# Altium PCB PS1-1B-BASIS.PcbDoc (part 7 of 7)
Units mm, origin at the board's own origin, x right, y up, seen from the top; angles counter-clockwise.
Board outline 88 x 170 mm, 6 copper layers (Top Layer, Mid 1, Mid 2 (GND), Mid 3 (PWR), Mid 4, Bottom Layer), stack 1.55 mm thick; 633 components, 333 nets, 1767 pads, 930 vias.
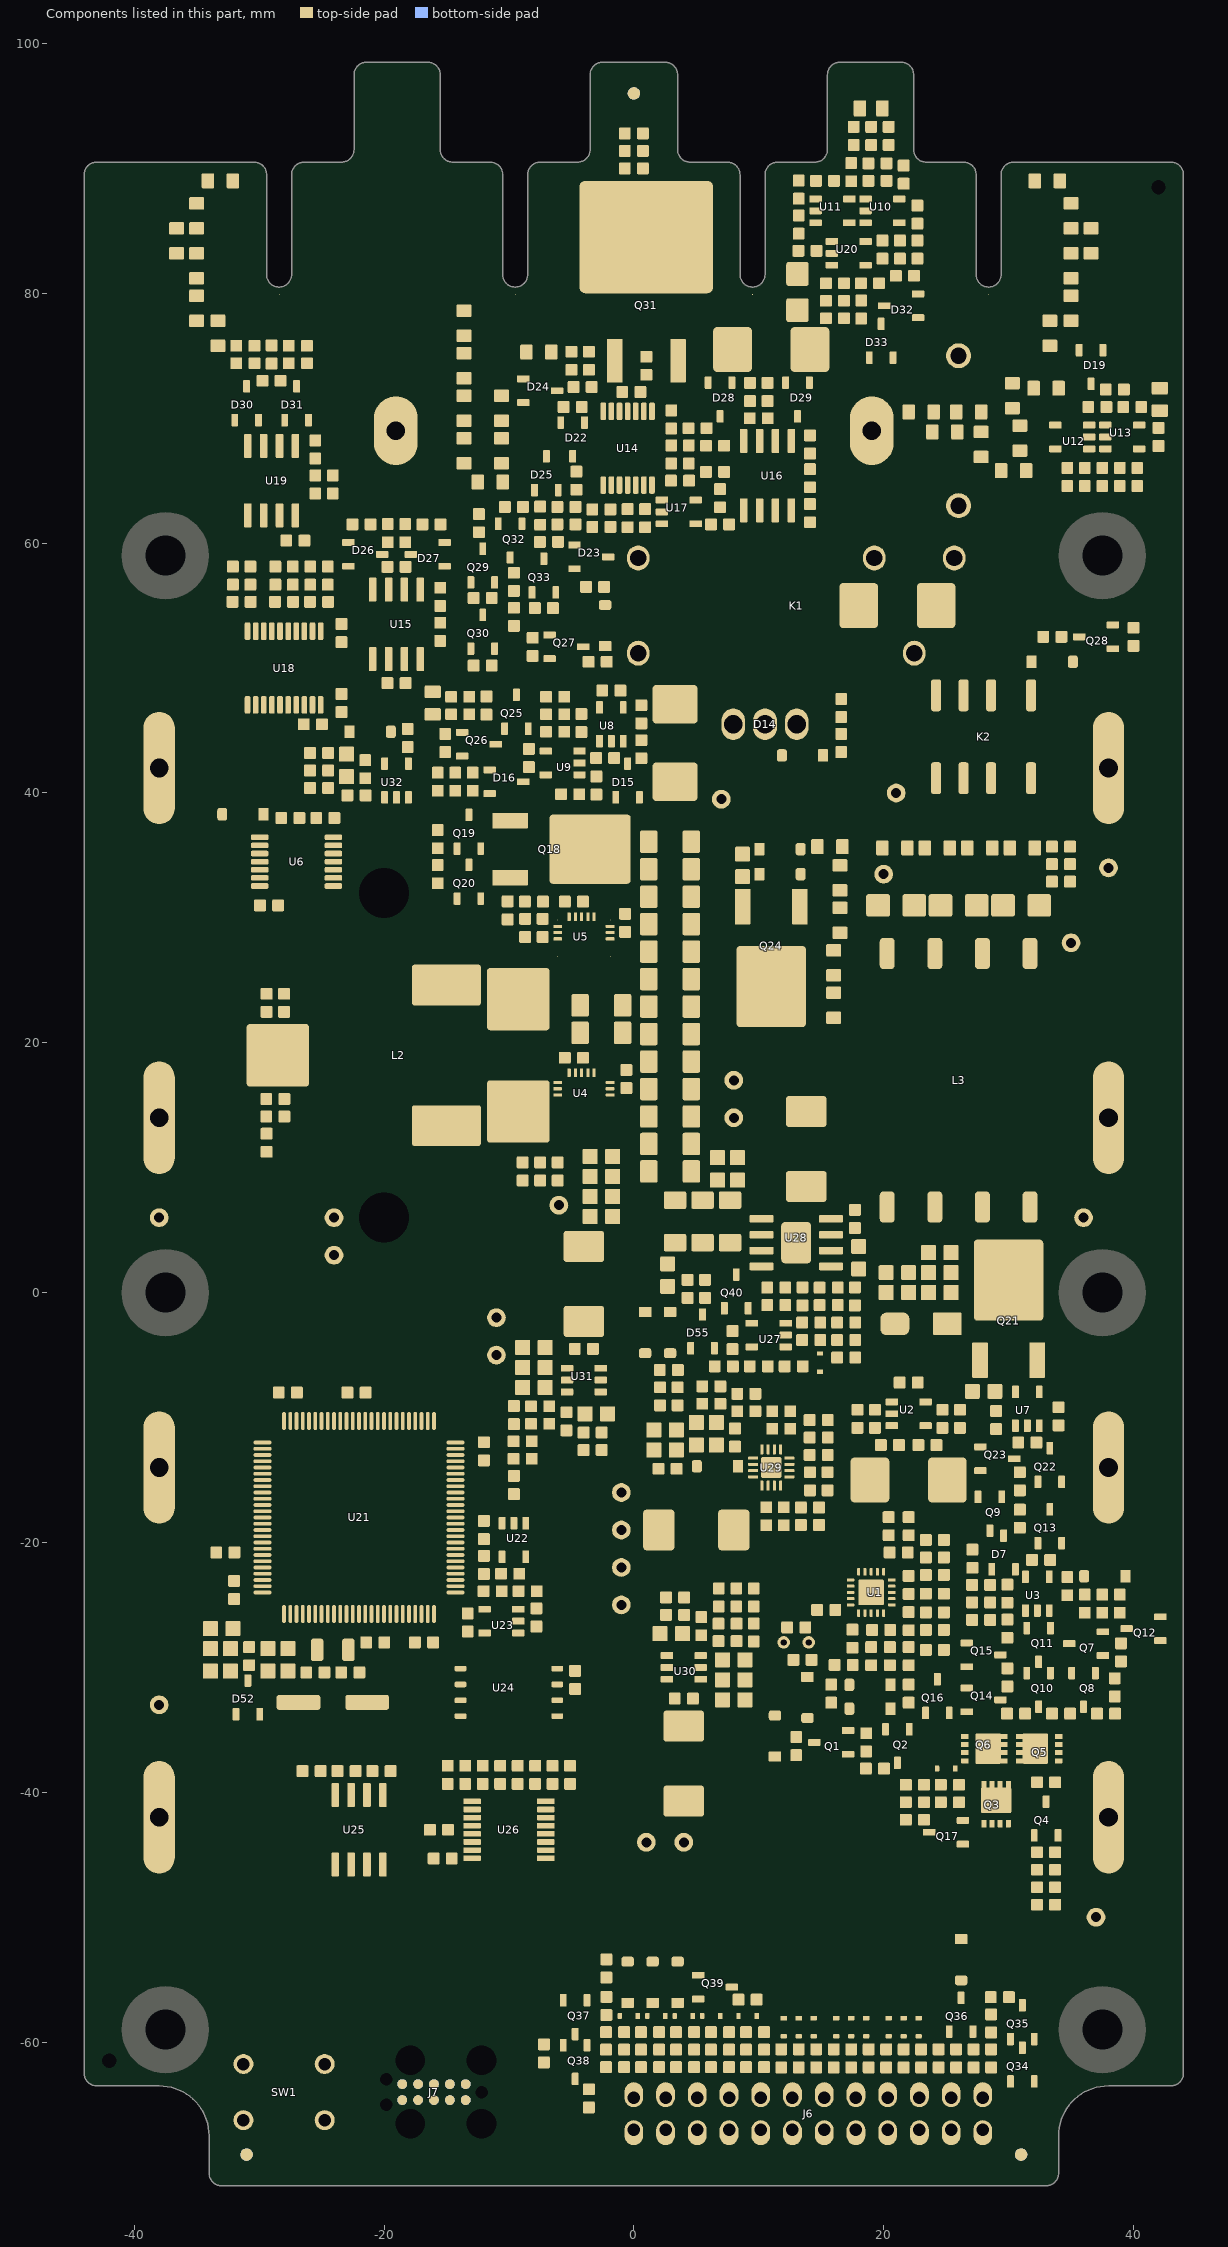
[diagram p11: the components of this part, seen from the top]

## Keep-outs
Top Layer:
  lines w0.05: 14.1,-19 14.3,-19.2 15.3,-19.2 15.4,-19.1 15.4,-16.8 15.7,-16.5 16.1,-16.5 16.9,-15.7 16.9,-11.7 16.1,-10.9 16.1,-9.7 16,-9.6 15.1,-9.6
  lines w0.1: -39.5,90 -39.5,80.7 ccw(c-35.5,80.7) -35.5,76.7 -30.7,76.7 -30.5,76.9 ; 30.5,76.9 30.7,76.7 35.5,76.7 ccw(c35.5,80.7) 39.5,80.7 39.5,90
  lines w0.3: 0.6,45.575 1.075,45.1 3,45.1 3.3,45.4 3.3,45.55 ; 10.7,72.825 10.3,73.225 10.3,75.3 10.5,75.5 12.55,75.5 ; 19.4,-15.5 20.6,-15.5 20.8,-15.7 20.8,-17.575 20.4,-17.975 ; 19.4,-14.5 20.8,-14.5 21.6,-13.7 21.6,-12.625 21.2,-12.225 ; 22,-17.975 21.6,-17.575 21.6,-15.7 21.8,-15.5 24.6,-15.5 ; 22.8,-12.225 22.4,-12.625 22.4,-13.7 23.2,-14.5 24.6,-14.5
Mid 1:
  region: 3.75,-32.88 ccw(c4.32,-32.88) 4.32,-33.45 5.375,-33.45 cw(c5.375,-33.7) 5.625,-33.7 5.625,-35.7 cw(c5.375,-35.7) 5.375,-35.95 2.625,-35.95 cw(c2.625,-35.7) 2.448,-35.877 cw(c3.168,-35.157) 2.15,-35.157 2.15,-30.744 cw(c2.219,-30.744) 2.219,-30.675 3.081,-30.675 cw(c3.081,-30.744) 3.13,-30.695 3.181,-30.746 cw(c1.807,-32.12) 3.75,-32.12
  region: -3.75,-4.12 ccw(c-4.32,-4.12) -4.32,-3.55 -5.375,-3.55 cw(c-5.375,-3.3) -5.625,-3.3 -5.625,-1.3 cw(c-5.375,-1.3) -5.375,-1.05 -2.625,-1.05 cw(c-2.625,-1.3) -2.448,-1.123 cw(c-3.168,-1.843) -2.15,-1.843 -2.15,-6.256 cw(c-2.219,-6.256) -2.219,-6.325 -3.081,-6.325 cw(c-3.081,-6.256) -3.13,-6.305 -3.181,-6.254 cw(c-1.807,-4.88) -3.75,-4.88
  region: 33.5,4.5 ccw(c33,4.5) 33,5 29.5,5 cw(c29.5,5.5) 29,5.5 29,8 ccw(c28.5,8) 28.5,8.5 27,8.5 ccw(c27,8) 26.5,8 26.5,-0.5 cw(c26,-0.5) 26,-1 22,-1 cw(c22,-0.5) 21.5,-0.5 21.5,2 ccw(c21,2) 21,2.5 20,2.5 ccw(c20,2) 19.5,2 19.5,-3.5 ccw(c20,-3.5) 20,-4 33,-4 ccw(c33,-3.5) 33.5,-3.5
  region: 10.375,-15.112 ccw(c10.313,-15.112) 10.313,-15.05 10.187,-15.05 cw(c10.187,-14.813) 9.95,-14.812 9.95,-14.187 ccw(c9.888,-14.187) 9.888,-14.125 9.212,-14.125 cw(c9.212,-13.662) 8.75,-13.662 8.75,-13.44 ccw(c8.71,-13.44) 8.71,-13.4 7.99,-13.4 ccw(c7.99,-13.44) 7.962,-13.412 ccw(c10.887,-16.337) 6.75,-16.337 6.75,-20.375 ccw(c7,-20.375) 7,-20.625 9,-20.625 ccw(c9,-20.375) 9.25,-20.375 9.25,-18.503 cw(c13.028,-18.503) 10.357,-15.832 ccw(c10.312,-15.787) 10.375,-15.788
  region: 14.825,5.676 ccw(c13.251,5.676) 13.251,7.25 12.425,7.25 cw(c12.425,7.5) 12.175,7.5 12.175,9.5 cw(c12.425,9.5) 12.425,9.75 15.175,9.75 cw(c15.175,9.5) 15.352,9.677 15.991,9.038 cw(c14.195,7.241) 16.735,7.241 16.735,5.676 cw(c16.659,5.676) 16.659,5.6 14.901,5.6 cw(c14.901,5.676)
  region: -11.5,21 -7,21 ccw(c-7,21.25) -6.823,21.073 ccw(c-9.414,23.664) -5.75,23.664 -5.75,27.35 ccw(c-5.8,27.35) -5.8,27.4 -14.811,27.4 ccw(c-14.811,23.311) -17.702,26.202 ccw(c-17.588,26.088) -17.75,26.088 -17.75,23.163 ccw(c-17.588,23.163) -17.588,23 -16.328,23 cw(c-16.328,16.422) -11.677,21.073 ccw(c-11.5,21.25)
  region: -17.588,11.75 -7.369,11.75 ccw(c-7.369,14.019) -5.765,12.415 ccw(c-5.8,12.45) -5.75,12.45 -5.75,14.85 ccw(c-5.8,14.85) -5.8,14.9 cw(c-5.8,15.85) -6.75,15.85 -6.75,16.75 ccw(c-7,16.75) -7,17 -11.5,17 ccw(c-11.5,16.75) -11.677,16.927 -11.846,16.758 cw(c-16.09,21.002) -16.09,15 -17.588,15 ccw(c-17.588,14.838) -17.75,14.838 -17.75,11.912 ccw(c-17.588,11.912)
  lines w0.1: -39.5,90 -39.5,80.7 ccw(c-35.5,80.7) -35.5,76.7 -30.7,76.7 -30.5,76.9 ; -27.801,58.125 cw(c-27.3,58.125) -27.3,57.624 ; -14.3,67 -13.8,67 -11.7,69.1 -11.7,74.2 -9.5,76.4 ; 13.746,68.271 cw(c14.1,68.625) 14.454,68.271 ; 32.6,78.6 35.275,78.6 36.003,77.872 38.328,77.872 ccw(c35.5,80.7) 39.5,80.7 39.5,90 ; 5.7,21.24 ccw(c8.24,21.24) 8.24,18.7 21.548,18.7 ccw(c21.548,21.24) 23.344,19.444 30.756,26.856 ccw(c28.96,28.652) 31.5,28.652 31.5,49.01 ccw(c29.11,49.01) 30.8,50.7 cw(c32.007,51.907) 30.3,51.907 30.3,71.13 ccw(c29.03,71.13) 29.03,72.4 23.77,72.4 cw(c23.77,75.466) 21.602,73.298 21.498,73.402 ccw(c19.33,71.234) 19.33,74.3 19,74.3 ccw(c19,70.1) 14.8,70.1 14.8,67.47 ccw(c17.866,67.47) 15.698,65.302 16.464,64.536 ccw(c18,66.073) 18,63.9 cw(c18,63.659) 18.171,63.829 21.034,60.966 cw(c19.669,59.6) 21.6,59.6 21.6,58.6 cw(c20.876,58.6) 21.388,58.088 20.844,57.544 ccw(c22.64,55.748) 20.1,55.748 20.1,54.183 cw(c19.417,54.183) 19.9,53.7 19.798,53.598 ccw(c21.966,51.43) 18.9,51.43 18.9,50.752 ccw(c21.44,50.752) 19.644,48.956 20.556,48.044 cw(c18.76,46.248) 21.3,46.248 21.3,44.74 cw(c18.76,44.74) 18.76,42.2 17.752,42.2 ccw(c17.752,39.66) 15.956,41.456 15.9,41.4 cw(c15.176,42.124) 15.176,41.1 10.952,41.1 ccw(c10.952,38.56) 9.156,40.356 6.3,37.5 ccw(c7.749,36.051) 5.7,36.051 5.7,21.24
Mid 3 (PWR):
  lines w0.4: 29,-18 30.1,-16.9 31.4,-16.9 32.1,-16.2 35.1,-16.2 36,-15.3 36,-2.8 34.4,-1.2 34.4,6.7 35.7,8 35.7,18.4 41.6,24.3 41.6,41.4 41,42
Keep-Out Layer:
  circle w0.6: c-20,32 r2
  circle w0.6: c-20,6 r2

## Other copper
Top Layer:
  region net VBAT: 33.7,-37.655 33.7,-35.995 cw(c33.72,-35.995) 33.72,-35.975 34.28,-35.975 ccw(c34.28,-35.625) 34.528,-35.872 34.956,-35.444 cw(c36.752,-37.24) 36.752,-34.7 37.7,-34.7 cw(c37.7,-36.25) 39.25,-36.25 39.25,-45.25 cw(c38,-45.25) 38,-46.5 35.9,-46.5 cw(c35.9,-45.3) 34.7,-45.3 34.7,-38.655 ccw(c33.72,-38.655) 33.72,-37.675 cw(c33.72,-37.655)
  region net +3V3_SW: 3.75,-32.88 ccw(c4.32,-32.88) 4.32,-33.45 5.375,-33.45 cw(c5.375,-33.7) 5.625,-33.7 5.625,-35.7 cw(c5.375,-35.7) 5.375,-35.95 2.625,-35.95 cw(c2.625,-35.7) 2.448,-35.877 cw(c3.168,-35.157) 2.15,-35.157 2.15,-30.744 cw(c2.219,-30.744) 2.219,-30.675 3.081,-30.675 cw(c3.081,-30.744) 3.13,-30.695 3.181,-30.746 cw(c1.807,-32.12) 3.75,-32.12
  region net +5V_SW: -3.75,-4.12 ccw(c-4.32,-4.12) -4.32,-3.55 -5.375,-3.55 cw(c-5.375,-3.3) -5.625,-3.3 -5.625,-1.3 cw(c-5.375,-1.3) -5.375,-1.05 -2.625,-1.05 cw(c-2.625,-1.3) -2.448,-1.123 cw(c-3.168,-1.843) -2.15,-1.843 -2.15,-6.256 cw(c-2.219,-6.256) -2.219,-6.325 -3.081,-6.325 cw(c-3.081,-6.256) -3.13,-6.305 -3.181,-6.254 cw(c-1.807,-4.88) -3.75,-4.88
  region net NetD5_2: 27.345,-41.123 ccw(c27.877,-41.123) 27.877,-41.655 30.124,-41.655 ccw(c30.124,-41.554) 30.225,-41.554 30.225,-39.726 cw(c32.226,-39.726) 32.226,-37.725 33.054,-37.725 ccw(c33.054,-37.624) 33.155,-37.624 33.155,-34.655 ccw(c32.9,-34.655) 32.9,-34.4 27.6,-34.4 ccw(c27.6,-34.655) 27.345,-34.655
  region net NetD14_1: 1.5,42.14 cw(c1.81,42.14) 1.81,42.45 3.438,42.45 ccw(c3.438,42.962) 3.8,42.6 5.164,43.964 ccw(c3.627,45.5) 5.8,45.5 cw(c7.05,45.5) 7.05,46.75 7.96,46.75 cw(c7.96,45.8) 8.91,45.8 8.91,44.394 cw(c6.37,44.394) 8.166,42.598 5.009,39.441 cw(c4.79,39.66) 4.79,39.35 1.81,39.35 cw(c1.81,39.66) 1.5,39.66
  region net GND: 2.4,7.96 2.4,6.84 ccw(c2.54,6.84) 2.441,6.741 2.838,6.344 ccw(c4.634,8.14) 4.634,5.6 11.099,5.6 cw(c11.099,4.899) 11.8,4.899 11.8,2.65 ccw(c12.1,2.65) 12.1,2.35 13.9,2.35 ccw(c13.9,2.65) 14.2,2.65 14.2,5.7 ccw(c13.3,5.7) 13.3,6.6 12.4,6.6 cw(c12.4,7.5) 11.5,7.5 ccw(c9.4,7.5) 9.4,9.6 5.9,9.6 ccw(c5.9,9.3) 5.6,9.3 5.6,8.9 cw(c5.2,8.9) 5.2,8.5 3.506,8.5 ccw(c3.506,6.994) 2.441,8.059 ccw(c2.54,7.96)
  region net GND: 9.888,-13.375 cw(c9.888,-13.647) 10.16,-13.647 10.16,-14.672 ccw(c10.328,-14.672) 10.328,-14.84 11.672,-14.84 ccw(c11.672,-14.672) 11.84,-14.672 11.84,-13.328 ccw(c11.672,-13.328) 11.672,-13.16 11.147,-13.16 cw(c11.147,-12.888) 10.875,-12.888 10.875,-12.081 ccw(c10.619,-12.081) 10.8,-11.9 9.88,-10.98 ccw(c8.48,-12.38) 8.48,-10.4 cw(c8.48,-8.673) 7.259,-9.894 7.182,-9.818 ccw(c7.14,-9.86) 7.14,-9.8 4.309,-9.8 ccw(c4.309,-11.909) 2.818,-10.418 ccw(c2.86,-10.46) 2.8,-10.46 2.8,-14.118 ccw(c3.407,-14.118) 2.978,-14.547 ccw(c3.045,-14.48) 3.045,-14.575 3.805,-14.575 ccw(c3.805,-14.48) 3.9,-14.48 3.9,-13.381 cw(c4.181,-13.381) 3.982,-13.182 ccw(c3.94,-13.14) 4,-13.14 4,-11.46 cw(c4.46,-11.46) 4.46,-11 6.875,-11 cw(c6.875,-12.1) 7.653,-11.322 ccw(c7.72,-11.255) 7.72,-11.35 8.48,-11.35 cw(c8.48,-11.77) 8.9,-11.77 8.9,-13.063 ccw(c9.212,-13.063) 9.212,-13.375
  region net +3V3: 2.375,-41.7 ccw(c2.625,-41.7) 2.625,-41.95 7.35,-41.95 ccw(c7.35,-39.8) 9.5,-39.8 9.5,-28.76 ccw(c9.44,-28.76) 9.44,-28.7 8.36,-28.7 ccw(c8.36,-28.76) 8.3,-28.76 8.3,-36.91 cw(c5.76,-36.91) 5.76,-39.45 2.625,-39.45 ccw(c2.625,-39.7) 2.375,-39.7
  region net VIN: -2.25,14.85 cw(c-2.2,14.85) -2.2,14.9 -1.925,14.9 cw(c-1.925,13.175) -0.2,13.175 -0.2,6.1 cw(c-0.8,6.1) -0.8,5.5 -2.24,5.5 cw(c-2.24,5.56) -2.3,5.56 -2.3,11.44 cw(c-2.24,11.44) -2.282,11.482 ccw(c-2.361,11.561) -2.25,11.561 -2.25,14.85
  region net VIN: 26.78,-37.025 ccw(c26.78,-37.005) 26.8,-37.005 26.8,-35.345 ccw(c25.955,-35.345) 25.955,-34.5 23.5,-34.5 ccw(c23.5,-35) 23,-35 23,-37 ccw(c23.5,-37) 23.5,-37.5 25.5,-37.5 ccw(c25.5,-37.017) 25.841,-37.359 26.143,-37.057 cw(c26.22,-37.134) 26.22,-37.025
  region net OUT_LV: -2.25,27.35 cw(c-2.2,27.35) -2.2,27.4 -0.6,27.4 ccw(c-0.6,28.5) 0.5,28.5 0.5,36.86 cw(c0.64,36.86) 0.64,37 2.2,37 cw(c2.2,36.6) 2.6,36.6 2.6,9.2 cw(c2.2,9.2) 2.2,8.8 0.64,8.8 cw(c0.64,8.94) 0.5,8.94 0.5,18.2 ccw(c-1.2,18.2) -1.2,19.9 -1.46,19.9 cw(c-1.46,20.69) -2.25,20.69
  region net VCC_SW: 14.825,5.676 ccw(c13.251,5.676) 13.251,7.25 12.425,7.25 cw(c12.425,7.5) 12.175,7.5 12.175,9.5 cw(c12.425,9.5) 12.425,9.75 15.175,9.75 cw(c15.175,9.5) 15.352,9.677 15.991,9.038 cw(c14.195,7.241) 16.735,7.241 16.735,5.676 cw(c16.659,5.676) 16.659,5.6 14.901,5.6 cw(c14.901,5.676)
  region net TERM_P: -20.8,68 ccw(c-19.05,68) -19.05,66.25 ccw(c-19.05,68) -17.3,68 -17.3,77.7 cw(c-14,77.7) -14,81 -12.881,81 cw(c-12.881,78.46) -11.084,80.256 -10.914,80.086 -10.349,80.652 cw(c-9.501,81.5) -10.7,81.5 -10.7,89.5 ccw(c-11.5,89.5) -11.5,90.3 -12.7,90.3 ccw(c-12.7,88) -15,88 -15,87.052 cw(c-17.54,87.052) -15.744,85.256 -20.056,80.944 ccw(c-18.26,79.148) -20.8,79.148
  region net +15V: 4.4,-11.66 4.4,-13.596 ccw(c5.454,-13.596) 4.709,-14.341 ccw(c4.85,-14.2) 4.85,-14.4 5.25,-14.4 ccw(c5.25,-14.2) 5.391,-14.341 6.376,-13.357 cw(c7.72,-14.7) 7.72,-12.8 8.48,-12.8 ccw(c8.48,-12.705) 8.575,-12.705 8.575,-11.945 ccw(c8.48,-11.945) 8.48,-11.85 7.72,-11.85 cw(c7.72,-11.113) 7.199,-11.634 7.182,-11.618 ccw(c7.14,-11.66) 7.14,-11.6 4.46,-11.6 ccw(c4.46,-11.66)
  region net NetQ31_2: 2.915,72.913 ccw(c2.977,72.913) 2.977,72.85 4.102,72.85 ccw(c4.102,72.913) 4.147,72.868 4.234,72.956 cw(c6.03,71.16) 6.03,73.7 9.14,73.7 ccw(c9.14,74.01) 9.45,74.01 9.45,75.7 cw(c10.536,75.7) 9.768,76.468 10.256,76.956 cw(c12.052,75.16) 12.052,77.7 13.82,77.7 ccw(c13.82,77.88) 14,77.88 14,79.42 ccw(c13.82,79.42) 13.82,79.6 12.252,79.6 ccw(c12.252,77.06) 10.456,78.856 9.644,78.044 cw(c7.848,79.84) 7.848,77.3 3.927,77.3 ccw(c3.927,76.288) 2.915,76.288
  region net TERM_N: 10.7,83.5 10.7,81.502 cw(c9.498,81.502) 10.348,80.652 10.914,80.086 cw(c12.156,78.844) 12.156,80.6 13.82,80.6 ccw(c13.82,80.78) 14,80.78 14,82.32 ccw(c13.82,82.32) 13.82,82.5 12.5,82.5 cw(c12.5,83.5) 11.5,83.5
  region net GND_PWR: -4.95,28.13 ccw(c-5.005,28.13) -5.005,28.185 -5.35,28.185 cw(c-5.35,28.235) -5.4,28.235 -5.4,29.35 cw(c-5.35,29.35) -5.35,29.4 -3.1,29.4 cw(c-3.1,29.35) -3.05,29.35 -3.05,20.59 cw(c-3.74,20.59) -3.74,19.9 -4.86,19.9 cw(c-4.86,20.04) -5,20.04 -5,23.76 cw(c-4.86,23.76) -4.959,23.859 -4.95,23.868 -4.95,24.925
  region net GND_PWR: 5.3,36.86 ccw(c5.16,36.86) 5.16,37 3.6,37 ccw(c3.6,36.6) 3.2,36.6 3.2,9.2 ccw(c3.6,9.2) 3.6,8.8 5.16,8.8 ccw(c5.16,8.94) 5.3,8.94
  region net GND_PWR: -3.05,11.802 ccw(c-2.598,11.802) -2.918,11.482 cw(c-2.96,11.44) -2.9,11.44 -2.9,5.56 cw(c-2.96,5.56) -2.96,5.5 -4.4,5.5 cw(c-4.4,6.1) -5,6.1 -5,12.304 cw(c-4.829,12.304) -4.95,12.425 -4.95,15.63 ccw(c-5.005,15.63) -5.005,15.685 -5.35,15.685 cw(c-5.35,15.735) -5.4,15.735 -5.4,16.85 cw(c-5.35,16.85) -5.35,16.9 -3.1,16.9 cw(c-3.1,16.85) -3.05,16.85
  region net SENS_N: 26.4,90.3 cw(c26.4,89.5) 27.2,89.5 27.2,81.5 ccw(c28.4,81.5) 28.4,80.3 ccw(c28.4,81.5) 29.6,81.5 29.6,89.5 cw(c30.4,89.5) 30.4,90.3 30.4,81.5 cw(c28.4,81.5) 28.4,79.5 cw(c28.4,81.5) 26.4,81.5
  region net LV_SW_SEC: -11.5,21 -7,21 ccw(c-7,21.25) -6.823,21.073 ccw(c-9.414,23.664) -5.75,23.664 -5.75,27.35 ccw(c-5.8,27.35) -5.8,27.4 -14.811,27.4 ccw(c-14.811,23.311) -17.702,26.202 ccw(c-17.588,26.088) -17.75,26.088 -17.75,23.163 ccw(c-17.588,23.163) -17.588,23 -16.328,23 cw(c-16.328,16.422) -11.677,21.073 ccw(c-11.5,21.25)
  region net +5V: -2.375,4.7 ccw(c-2.625,4.7) -2.625,4.95 -7.35,4.95 ccw(c-7.35,2.8) -9.5,2.8 -9.5,-8.24 ccw(c-9.44,-8.24) -9.44,-8.3 -8.36,-8.3 ccw(c-8.36,-8.24) -8.3,-8.24 -8.3,-0.09 cw(c-5.76,-0.09) -5.76,2.45 -2.625,2.45 ccw(c-2.625,2.7) -2.375,2.7
  region net TERM_N: -3.9,80 cw(c-3.9,80.45) -4.35,80.45 -4.35,88.798 cw(c-1.81,88.798) -3.606,90.594 -3.6,90.6 ccw(c-4.324,91.324) -3.3,91.324 -3.3,91.5 cw(c-2.8,91.5) -2.8,92 cw(c-2.8,91.5) -2.3,91.5 -2.3,89.9 ccw(c-1.7,89.9) -1.7,89.3 6,89.3 cw(c6,88.6) 6.7,88.6 6.7,80.4 cw(c6.3,80.4) 6.3,80 -3.9,80
  region net TERM_N: 7.5,90.3 cw(c7.5,89.5) 8.3,89.5 8.3,81.5 ccw(c9.5,81.5) 9.5,80.3 ccw(c9.5,81.5) 10.7,81.5 10.7,89.5 cw(c11.5,89.5) 11.5,90.3 11.5,81.5 cw(c9.5,81.5) 9.5,79.5 cw(c9.5,81.5) 7.5,81.5
  region net OUT_LV: 10.875,4.864 ccw(c10.799,4.864) 10.799,4.94 3.119,4.94 ccw(c3.119,3.981) 2.441,4.659 ccw(c2.54,4.56) 2.4,4.56 2.4,3.44 ccw(c2.54,3.44) 2.54,3.3 8.46,3.3 ccw(c8.46,3.44) 8.6,3.44 8.6,3.6 cw(c9.33,3.6) 9.33,4.33 10.799,4.33 ccw(c10.799,4.406) 10.875,4.406
  region net TERM_N: 7.5,90.3 7.224,90.3 ccw(c7.224,89.276) 6.5,90 6.244,89.744 cw(c4.448,91.54) 4.448,89 -3.9,89 ccw(c-3.9,88.55) -4.35,88.55 -4.35,80.45 ccw(c-3.9,80.45) -3.9,80 6.717,80 cw(c6.717,79.317) 7.2,79.8 ccw(c7.924,80.524) 7.924,79.5 9.5,79.5 cw(c9.5,81.5) 7.5,81.5
  region net LV_SW_PRIM: -17.588,11.75 -7.369,11.75 ccw(c-7.369,14.019) -5.765,12.415 ccw(c-5.8,12.45) -5.75,12.45 -5.75,14.85 ccw(c-5.8,14.85) -5.8,14.9 cw(c-5.8,15.85) -6.75,15.85 -6.75,16.75 ccw(c-7,16.75) -7,17 -11.5,17 ccw(c-11.5,16.75) -11.677,16.927 -11.846,16.758 cw(c-16.09,21.002) -16.09,15 -17.588,15 ccw(c-17.588,14.838) -17.75,14.838 -17.75,11.913 ccw(c-17.588,11.913)
  region net VCC: 0.75,-20.375 ccw(c1,-20.375) 1,-20.625 3,-20.625 ccw(c3,-20.375) 3.25,-20.375 3.25,-17.625 ccw(c3,-17.625) 3.177,-17.448 cw(c4.931,-15.694) 2.45,-15.694 2.45,-11.064 ccw(c1.536,-11.064) 2.182,-10.418 ccw(c2.14,-10.46) 2.14,-10.4 1.06,-10.4 ccw(c1.808,-11.148) 0.75,-11.148
  region net SENS_P: -30.4,90.3 cw(c-30.4,89.5) -29.6,89.5 -29.6,81.5 ccw(c-28.4,81.5) -28.4,80.3 ccw(c-28.4,81.5) -27.2,81.5 -27.2,89.5 cw(c-26.4,89.5) -26.4,90.3 -26.4,81.5 cw(c-28.4,81.5) -28.4,79.5 cw(c-28.4,81.5) -30.4,81.5
  region net +15V_SW: 10.375,-15.112 ccw(c10.313,-15.112) 10.313,-15.05 10.187,-15.05 cw(c10.187,-14.813) 9.95,-14.812 9.95,-14.187 ccw(c9.888,-14.187) 9.888,-14.125 9.212,-14.125 cw(c9.212,-13.662) 8.75,-13.662 8.75,-13.44 ccw(c8.71,-13.44) 8.71,-13.4 7.99,-13.4 ccw(c7.99,-13.44) 7.962,-13.412 ccw(c10.887,-16.337) 6.75,-16.337 6.75,-20.375 ccw(c7,-20.375) 7,-20.625 9,-20.625 ccw(c9,-20.375) 9.25,-20.375 9.25,-18.503 cw(c13.028,-18.503) 10.357,-15.832 ccw(c10.312,-15.787) 10.375,-15.788
Mid 1:
  region net NetD5_2: 27.345,-41.123 ccw(c27.877,-41.123) 27.877,-41.655 30.124,-41.655 ccw(c30.124,-41.554) 30.225,-41.554 30.225,-39.726 cw(c32.226,-39.726) 32.226,-37.725 33.054,-37.725 ccw(c33.054,-37.624) 33.155,-37.624 33.155,-34.655 ccw(c32.9,-34.655) 32.9,-34.4 27.6,-34.4 ccw(c27.6,-34.655) 27.345,-34.655
  region net NetD14_1: 1.5,42.14 cw(c1.81,42.14) 1.81,42.45 3.438,42.45 ccw(c3.438,42.962) 3.8,42.6 5.164,43.964 ccw(c3.627,45.5) 5.8,45.5 cw(c7.05,45.5) 7.05,46.75 7.96,46.75 cw(c7.96,45.8) 8.91,45.8 8.91,44.394 cw(c6.37,44.394) 8.166,42.598 5.009,39.441 cw(c4.79,39.66) 4.79,39.35 1.81,39.35 cw(c1.81,39.66) 1.5,39.66
  region net GND: 12.2,2.4 cw(c12.2,2.8) 11.8,2.8 11.8,5.2 cw(c12.2,5.2) 12.2,5.6 13.8,5.6 cw(c13.8,5.2) 14.2,5.2 14.2,2.8 cw(c13.8,2.8) 13.8,2.4
  region net GND: 17.66,-13.2 ccw(c17.66,-13.51) 17.35,-13.51 17.35,-16.49 ccw(c17.66,-16.49) 17.66,-16.8 20.14,-16.8 ccw(c20.14,-16.49) 20.45,-16.49 20.45,-13.51 ccw(c20.14,-13.51) 20.14,-13.2
  region net GND_PWR: 12.95,77.3 ccw(c12.95,76.9) 12.55,76.9 12.55,74.01 ccw(c12.86,74.01) 12.86,73.7 15.34,73.7 ccw(c15.34,74.01) 15.65,74.01 15.65,76.99 ccw(c15.34,76.99) 15.34,77.3
  region net VIN: 23.5,-34.5 ccw(c23.5,-35) 23,-35 23,-37 ccw(c23.5,-37) 23.5,-37.5 25.5,-37.5 ccw(c25.5,-37) 26,-37 26,-35 ccw(c25.5,-35) 25.5,-34.5
  region net TERM_P: -20.8,68 ccw(c-19.05,68) -19.05,66.25 ccw(c-19.05,68) -17.3,68 -17.3,77.7 cw(c-14,77.7) -14,81 -12.881,81 cw(c-12.881,78.46) -11.084,80.256 -10.914,80.086 -10.349,80.652 cw(c-9.501,81.5) -10.7,81.5 -10.7,89.5 ccw(c-11.5,89.5) -11.5,90.3 -12.7,90.3 ccw(c-12.7,88) -15,88 -15,87.052 cw(c-17.54,87.052) -15.744,85.256 -20.056,80.944 ccw(c-18.26,79.148) -20.8,79.148
  region net GND_PWR: 1.5,45.86 ccw(c1.81,45.86) 1.81,45.55 4.79,45.55 ccw(c4.79,45.86) 5.1,45.86 5.1,48.34 ccw(c4.79,48.34) 4.79,48.65 1.81,48.65 ccw(c1.81,48.34) 1.5,48.34
  region net BAT-: 23.86,-13.2 ccw(c23.86,-13.51) 23.55,-13.51 23.55,-16.49 ccw(c23.86,-16.49) 23.86,-16.8 26.34,-16.8 ccw(c26.34,-16.49) 26.65,-16.49 26.65,-13.51 ccw(c26.34,-13.51) 26.34,-13.2
  region net BAT-: 18.1,-24.5 18.1,-23.5 cw(c18.5,-23.5) 18.5,-23.1 19.5,-23.1 cw(c19.5,-23.5) 19.9,-23.5 19.9,-24.5 cw(c19.5,-24.5) 19.5,-24.9 18.5,-24.9 cw(c18.5,-24.5)
  region net SENS_N: 26.4,90.3 cw(c26.4,89.5) 27.2,89.5 27.2,81.5 ccw(c28.4,81.5) 28.4,80.3 ccw(c28.4,81.5) 29.6,81.5 29.6,89.5 cw(c30.4,89.5) 30.4,90.3 30.4,81.5 cw(c28.4,81.5) 28.4,79.5 cw(c28.4,81.5) 26.4,81.5
  region net TERM_N: 7.5,90.3 cw(c7.5,89.5) 8.3,89.5 8.3,81.5 ccw(c9.5,81.5) 9.5,80.3 ccw(c9.5,81.5) 10.7,81.5 10.7,89.5 cw(c11.5,89.5) 11.5,90.3 11.5,81.5 cw(c9.5,81.5) 9.5,79.5 cw(c9.5,81.5) 7.5,81.5
  region net TERM_P: -11.5,90.3 cw(c-11.5,89.5) -10.7,89.5 -10.7,81.5 ccw(c-9.5,81.5) -9.5,80.3 ccw(c-9.5,81.5) -8.3,81.5 -8.3,89.5 cw(c-7.5,89.5) -7.5,90.3 -7.5,81.5 cw(c-9.5,81.5) -9.5,79.5 cw(c-9.5,81.5) -11.5,81.5
  region net SENS_P: -30.4,90.3 cw(c-30.4,89.5) -29.6,89.5 -29.6,81.5 ccw(c-28.4,81.5) -28.4,80.3 ccw(c-28.4,81.5) -27.2,81.5 -27.2,89.5 cw(c-26.4,89.5) -26.4,90.3 -26.4,81.5 cw(c-28.4,81.5) -28.4,79.5 cw(c-28.4,81.5) -30.4,81.5
Mid 2 (GND):
  region net NetD14_1: 1.5,39.66 ccw(c1.81,39.66) 1.81,39.35 4.79,39.35 ccw(c4.79,39.66) 5.1,39.66 5.1,42.14 ccw(c4.79,42.14) 4.79,42.45 1.81,42.45 ccw(c1.81,42.14) 1.5,42.14
  region net GND: 12.2,2.4 cw(c12.2,2.8) 11.8,2.8 11.8,5.2 cw(c12.2,5.2) 12.2,5.6 13.8,5.6 cw(c13.8,5.2) 14.2,5.2 14.2,2.8 cw(c13.8,2.8) 13.8,2.4
  region net GND: 17.66,-13.2 ccw(c17.66,-13.51) 17.35,-13.51 17.35,-16.49 ccw(c17.66,-16.49) 17.66,-16.8 20.14,-16.8 ccw(c20.14,-16.49) 20.45,-16.49 20.45,-13.51 ccw(c20.14,-13.51) 20.14,-13.2
  region net VIN: 23.5,-34.5 ccw(c23.5,-35) 23,-35 23,-37 ccw(c23.5,-37) 23.5,-37.5 25.5,-37.5 ccw(c25.5,-37) 26,-37 26,-35 ccw(c25.5,-35) 25.5,-34.5
  region net TERM_P: -20.8,68 ccw(c-19.05,68) -19.05,66.25 ccw(c-19.05,68) -17.3,68 -17.3,77.7 cw(c-14,77.7) -14,81 -12.881,81 cw(c-12.881,78.46) -11.084,80.256 -10.914,80.086 -10.349,80.652 cw(c-9.501,81.5) -10.7,81.5 -10.7,89.5 ccw(c-11.5,89.5) -11.5,90.3 -12.7,90.3 ccw(c-12.7,88) -15,88 -15,87.052 cw(c-17.54,87.052) -15.744,85.256 -20.056,80.944 ccw(c-18.26,79.148) -20.8,79.148
  region net GND_PWR: 1.5,45.86 ccw(c1.81,45.86) 1.81,45.55 4.79,45.55 ccw(c4.79,45.86) 5.1,45.86 5.1,48.34 ccw(c4.79,48.34) 4.79,48.65 1.81,48.65 ccw(c1.81,48.34) 1.5,48.34
  region net GND_PWR: 12.86,77.3 ccw(c12.86,76.99) 12.55,76.99 12.55,74.01 ccw(c12.86,74.01) 12.86,73.7 15.34,73.7 ccw(c15.34,74.01) 15.65,74.01 15.65,76.99 ccw(c15.34,76.99) 15.34,77.3
  region net BAT-: 23.86,-13.2 ccw(c23.86,-13.51) 23.55,-13.51 23.55,-16.49 ccw(c23.86,-16.49) 23.86,-16.8 26.34,-16.8 ccw(c26.34,-16.49) 26.65,-16.49 26.65,-13.51 ccw(c26.34,-13.51) 26.34,-13.2
  region net BAT-: 18.1,-24.5 18.1,-23.5 cw(c18.5,-23.5) 18.5,-23.1 19.5,-23.1 cw(c19.5,-23.5) 19.9,-23.5 19.9,-24.5 cw(c19.5,-24.5) 19.5,-24.9 18.5,-24.9 cw(c18.5,-24.5)
  region net SENS_N: 26.4,90.3 cw(c26.4,89.5) 27.2,89.5 27.2,81.5 ccw(c28.4,81.5) 28.4,80.3 ccw(c28.4,81.5) 29.6,81.5 29.6,89.5 cw(c30.4,89.5) 30.4,90.3 30.4,81.5 cw(c28.4,81.5) 28.4,79.5 cw(c28.4,81.5) 26.4,81.5
  region net TERM_P: -11.5,90.3 cw(c-11.5,89.5) -10.7,89.5 -10.7,81.5 ccw(c-9.5,81.5) -9.5,80.3 ccw(c-9.5,81.5) -8.3,81.5 -8.3,89.5 cw(c-7.5,89.5) -7.5,90.3 -7.5,81.5 cw(c-9.5,81.5) -9.5,79.5 cw(c-9.5,81.5) -11.5,81.5
  region net TERM_N: 7.5,90.3 cw(c7.5,89.5) 8.3,89.5 8.3,81.5 ccw(c9.5,81.5) 9.5,80.3 ccw(c9.5,81.5) 10.7,81.5 10.7,89.5 cw(c11.5,89.5) 11.5,90.3 11.5,81.5 cw(c9.5,81.5) 9.5,79.5 cw(c9.5,81.5) 7.5,81.5
  region net SENS_P: -30.4,90.3 cw(c-30.4,89.5) -29.6,89.5 -29.6,81.5 ccw(c-28.4,81.5) -28.4,80.3 ccw(c-28.4,81.5) -27.2,81.5 -27.2,89.5 cw(c-26.4,89.5) -26.4,90.3 -26.4,81.5 cw(c-28.4,81.5) -28.4,79.5 cw(c-28.4,81.5) -30.4,81.5
Mid 3 (PWR):
  region net NetD5_2: 27.8,-34.4 ccw(c27.8,-34.8) 27.4,-34.8 27.4,-40.8 ccw(c27.8,-40.8) 27.8,-41.2 29.8,-41.2 ccw(c29.8,-40.8) 30.2,-40.8 30.2,-40 cw(c32.8,-40) 32.8,-37.4 ccw(c32.8,-37) 33.2,-37 33.2,-34.8 ccw(c32.8,-34.8) 32.8,-34.4
  region net NetD14_1: 1.5,39.66 ccw(c1.81,39.66) 1.81,39.35 4.79,39.35 ccw(c4.79,39.66) 5.1,39.66 5.1,42.14 ccw(c4.79,42.14) 4.79,42.45 1.81,42.45 ccw(c1.81,42.14) 1.5,42.14
  region net GND: 17.66,-13.2 ccw(c17.66,-13.51) 17.35,-13.51 17.35,-16.49 ccw(c17.66,-16.49) 17.66,-16.8 20.14,-16.8 ccw(c20.14,-16.49) 20.45,-16.49 20.45,-13.51 ccw(c20.14,-13.51) 20.14,-13.2
  region net VIN: 23.5,-34.5 ccw(c23.5,-35) 23,-35 23,-37 ccw(c23.5,-37) 23.5,-37.5 25.5,-37.5 ccw(c25.5,-37) 26,-37 26,-35 ccw(c25.5,-35) 25.5,-34.5
  region net BAT-: 39,46.5 cw(c39,45.5) 40,45.5 40,38.5 cw(c38,38.5) 38,36.5 cw(c38,38.5) 36,38.5 36,45.5 cw(c37,45.5) 37,46.5
  region net TERM_P: -20.8,68 ccw(c-19.05,68) -19.05,66.25 ccw(c-19.05,68) -17.3,68 -17.3,77.7 cw(c-14,77.7) -14,81 -12.881,81 cw(c-12.881,78.46) -11.084,80.256 -10.914,80.086 -10.349,80.652 cw(c-9.501,81.5) -10.7,81.5 -10.7,89.5 ccw(c-11.5,89.5) -11.5,90.3 -12.7,90.3 ccw(c-12.7,88) -15,88 -15,87.052 cw(c-17.54,87.052) -15.744,85.256 -20.056,80.944 ccw(c-18.26,79.148) -20.8,79.148
  region net GND_PWR: 1.5,45.86 ccw(c1.81,45.86) 1.81,45.55 4.79,45.55 ccw(c4.79,45.86) 5.1,45.86 5.1,48.34 ccw(c4.79,48.34) 4.79,48.65 1.81,48.65 ccw(c1.81,48.34) 1.5,48.34
  region net GND_PWR: 12.86,77.3 ccw(c12.86,76.99) 12.55,76.99 12.55,74.01 ccw(c12.86,74.01) 12.86,73.7 15.34,73.7 ccw(c15.34,74.01) 15.65,74.01 15.65,76.99 ccw(c15.34,76.99) 15.34,77.3
  region net BAT-: 23.86,-13.2 ccw(c23.86,-13.51) 23.55,-13.51 23.55,-16.49 ccw(c23.86,-16.49) 23.86,-16.8 26.34,-16.8 ccw(c26.34,-16.49) 26.65,-16.49 26.65,-13.51 ccw(c26.34,-13.51) 26.34,-13.2
  region net TERM_P: -11.5,90.3 cw(c-11.5,89.5) -10.7,89.5 -10.7,81.5 ccw(c-9.5,81.5) -9.5,80.3 ccw(c-9.5,81.5) -8.3,81.5 -8.3,89.5 cw(c-7.5,89.5) -7.5,90.3 -7.5,81.5 cw(c-9.5,81.5) -9.5,79.5 cw(c-9.5,81.5) -11.5,81.5
  region net SENS_N: 26.4,90.3 cw(c26.4,89.5) 27.2,89.5 27.2,81.5 ccw(c28.4,81.5) 28.4,80.3 ccw(c28.4,81.5) 29.6,81.5 29.6,89.5 cw(c30.4,89.5) 30.4,90.3 30.4,81.5 cw(c28.4,81.5) 28.4,79.5 cw(c28.4,81.5) 26.4,81.5
  region net SENS_P: -30.4,90.3 cw(c-30.4,89.5) -29.6,89.5 -29.6,81.5 ccw(c-28.4,81.5) -28.4,80.3 ccw(c-28.4,81.5) -27.2,81.5 -27.2,89.5 cw(c-26.4,89.5) -26.4,90.3 -26.4,81.5 cw(c-28.4,81.5) -28.4,79.5 cw(c-28.4,81.5) -30.4,81.5
  region net TERM_N: 7.5,90.3 cw(c7.5,89.5) 8.3,89.5 8.3,81.5 ccw(c9.5,81.5) 9.5,80.3 ccw(c9.5,81.5) 10.7,81.5 10.7,89.5 cw(c11.5,89.5) 11.5,90.3 11.5,81.5 cw(c9.5,81.5) 9.5,79.5 cw(c9.5,81.5) 7.5,81.5
Mid 4:
  region net NetD14_1: 1.5,39.66 ccw(c1.81,39.66) 1.81,39.35 4.79,39.35 ccw(c4.79,39.66) 5.1,39.66 5.1,42.14 ccw(c4.79,42.14) 4.79,42.45 1.81,42.45 ccw(c1.81,42.14) 1.5,42.14
  region net GND: 17.66,-13.2 ccw(c17.66,-13.51) 17.35,-13.51 17.35,-16.49 ccw(c17.66,-16.49) 17.66,-16.8 20.14,-16.8 ccw(c20.14,-16.49) 20.45,-16.49 20.45,-13.51 ccw(c20.14,-13.51) 20.14,-13.2
  region net VIN: 23.5,-34.5 ccw(c23.5,-35) 23,-35 23,-37 ccw(c23.5,-37) 23.5,-37.5 25.5,-37.5 ccw(c25.5,-37) 26,-37 26,-35 ccw(c25.5,-35) 25.5,-34.5
  region net TERM_N: 26.707,75.707 cw(c26,75) 27,75 cw(c26,75) 26.707,74.293 cw(c26,75) 26,74 24.5,74 24.5,76.5 25.617,76.5 cw(c25.617,75.783) 26.124,76.29
  region net TERM_P: -20.8,68 ccw(c-19.05,68) -19.05,66.25 ccw(c-19.05,68) -17.3,68 -17.3,77.7 cw(c-14,77.7) -14,81 -12.881,81 cw(c-12.881,78.46) -11.084,80.256 -10.914,80.086 -10.349,80.652 cw(c-9.501,81.5) -10.7,81.5 -10.7,89.5 ccw(c-11.5,89.5) -11.5,90.3 -12.7,90.3 ccw(c-12.7,88) -15,88 -15,87.052 cw(c-17.54,87.052) -15.744,85.256 -20.056,80.944 ccw(c-18.26,79.148) -20.8,79.148
  region net GND_PWR: 1.5,45.86 ccw(c1.81,45.86) 1.81,45.55 4.79,45.55 ccw(c4.79,45.86) 5.1,45.86 5.1,48.34 ccw(c4.79,48.34) 4.79,48.65 1.81,48.65 ccw(c1.81,48.34) 1.5,48.34
  region net GND_PWR: 12.86,77.3 ccw(c12.86,76.99) 12.55,76.99 12.55,74.01 ccw(c12.86,74.01) 12.86,73.7 15.34,73.7 ccw(c15.34,74.01) 15.65,74.01 15.65,76.99 ccw(c15.34,76.99) 15.34,77.3
  region net BAT-: 23.86,-13.2 ccw(c23.86,-13.51) 23.55,-13.51 23.55,-16.49 ccw(c23.86,-16.49) 23.86,-16.8 26.34,-16.8 ccw(c26.34,-16.49) 26.65,-16.49 26.65,-13.51 ccw(c26.34,-13.51) 26.34,-13.2
  region net TERM_P: -11.5,90.3 cw(c-11.5,89.5) -10.7,89.5 -10.7,81.5 ccw(c-9.5,81.5) -9.5,80.3 ccw(c-9.5,81.5) -8.3,81.5 -8.3,89.5 cw(c-7.5,89.5) -7.5,90.3 -7.5,81.5 cw(c-9.5,81.5) -9.5,79.5 cw(c-9.5,81.5) -11.5,81.5
  region net TERM_N: 7.5,90.3 cw(c7.5,89.5) 8.3,89.5 8.3,81.5 ccw(c9.5,81.5) 9.5,80.3 ccw(c9.5,81.5) 10.7,81.5 10.7,89.5 cw(c11.5,89.5) 11.5,90.3 11.5,81.5 cw(c9.5,81.5) 9.5,79.5 cw(c9.5,81.5) 7.5,81.5
  region net SENS_P: -30.4,90.3 cw(c-30.4,89.5) -29.6,89.5 -29.6,81.5 ccw(c-28.4,81.5) -28.4,80.3 ccw(c-28.4,81.5) -27.2,81.5 -27.2,89.5 cw(c-26.4,89.5) -26.4,90.3 -26.4,81.5 cw(c-28.4,81.5) -28.4,79.5 cw(c-28.4,81.5) -30.4,81.5
  region net SENS_N: 26.4,90.3 cw(c26.4,89.5) 27.2,89.5 27.2,81.5 ccw(c28.4,81.5) 28.4,80.3 ccw(c28.4,81.5) 29.6,81.5 29.6,89.5 cw(c30.4,89.5) 30.4,90.3 30.4,81.5 cw(c28.4,81.5) 28.4,79.5 cw(c28.4,81.5) 26.4,81.5
Bottom Layer:
  region net NetD14_1: 1.5,39.66 ccw(c1.81,39.66) 1.81,39.35 4.79,39.35 ccw(c4.79,39.66) 5.1,39.66 5.1,42.14 ccw(c4.79,42.14) 4.79,42.45 1.81,42.45 ccw(c1.81,42.14) 1.5,42.14
  region net GND: 12.2,2.4 cw(c12.2,2.8) 11.8,2.8 11.8,5.2 cw(c12.2,5.2) 12.2,5.6 13.8,5.6 cw(c13.8,5.2) 14.2,5.2 14.2,2.8 cw(c13.8,2.8) 13.8,2.4
  region net GND: 17.66,-13.2 ccw(c17.66,-13.51) 17.35,-13.51 17.35,-16.49 ccw(c17.66,-16.49) 17.66,-16.8 20.14,-16.8 ccw(c20.14,-16.49) 20.45,-16.49 20.45,-13.51 ccw(c20.14,-13.51) 20.14,-13.2
  region net TERM_N: 26.707,75.707 cw(c26,75) 27,75 cw(c26,75) 26.707,74.293 cw(c26,75) 26,74 24.5,74 24.5,76.5 25.617,76.5 cw(c25.617,75.783) 26.124,76.29
  region net VIN: 23.5,-34.5 ccw(c23.5,-35) 23,-35 23,-37 ccw(c23.5,-37) 23.5,-37.5 25.5,-37.5 ccw(c25.5,-37) 26,-37 26,-35 ccw(c25.5,-35) 25.5,-34.5
  region net TERM_P: -20.8,68 ccw(c-19.05,68) -19.05,66.25 ccw(c-19.05,68) -17.3,68 -17.3,77.7 cw(c-14,77.7) -14,81 -12.881,81 cw(c-12.881,78.46) -11.084,80.256 -10.914,80.086 -10.349,80.652 cw(c-9.501,81.5) -10.7,81.5 -10.7,89.5 ccw(c-11.5,89.5) -11.5,90.3 -12.7,90.3 ccw(c-12.7,88) -15,88 -15,87.052 cw(c-17.54,87.052) -15.744,85.256 -20.056,80.944 ccw(c-18.26,79.148) -20.8,79.148
  region net GND_PWR: 1.5,45.86 ccw(c1.81,45.86) 1.81,45.55 4.79,45.55 ccw(c4.79,45.86) 5.1,45.86 5.1,48.34 ccw(c4.79,48.34) 4.79,48.65 1.81,48.65 ccw(c1.81,48.34) 1.5,48.34
  region net GND_PWR: 12.86,77.3 ccw(c12.86,76.99) 12.55,76.99 12.55,74.01 ccw(c12.86,74.01) 12.86,73.7 15.34,73.7 ccw(c15.34,74.01) 15.65,74.01 15.65,76.99 ccw(c15.34,76.99) 15.34,77.3
  region net BAT-: 23.86,-13.2 ccw(c23.86,-13.51) 23.55,-13.51 23.55,-16.49 ccw(c23.86,-16.49) 23.86,-16.8 26.34,-16.8 ccw(c26.34,-16.49) 26.65,-16.49 26.65,-13.51 ccw(c26.34,-13.51) 26.34,-13.2
  region net BAT-: 18.1,-24.5 18.1,-23.5 cw(c18.5,-23.5) 18.5,-23.1 19.5,-23.1 cw(c19.5,-23.5) 19.9,-23.5 19.9,-24.5 cw(c19.5,-24.5) 19.5,-24.9 18.5,-24.9 cw(c18.5,-24.5)
  region net SENS_N: 26.4,90.3 cw(c26.4,89.5) 27.2,89.5 27.2,81.5 ccw(c28.4,81.5) 28.4,80.3 ccw(c28.4,81.5) 29.6,81.5 29.6,89.5 cw(c30.4,89.5) 30.4,90.3 30.4,81.5 cw(c28.4,81.5) 28.4,79.5 cw(c28.4,81.5) 26.4,81.5
  region net TERM_P: -11.5,90.3 cw(c-11.5,89.5) -10.7,89.5 -10.7,81.5 ccw(c-9.5,81.5) -9.5,80.3 ccw(c-9.5,81.5) -8.3,81.5 -8.3,89.5 cw(c-7.5,89.5) -7.5,90.3 -7.5,81.5 cw(c-9.5,81.5) -9.5,79.5 cw(c-9.5,81.5) -11.5,81.5
  region net SENS_P: -30.4,90.3 cw(c-30.4,89.5) -29.6,89.5 -29.6,81.5 ccw(c-28.4,81.5) -28.4,80.3 ccw(c-28.4,81.5) -27.2,81.5 -27.2,89.5 cw(c-26.4,89.5) -26.4,90.3 -26.4,81.5 cw(c-28.4,81.5) -28.4,79.5 cw(c-28.4,81.5) -30.4,81.5
  region net TERM_N: 7.5,90.3 cw(c7.5,89.5) 8.3,89.5 8.3,81.5 ccw(c9.5,81.5) 9.5,80.3 ccw(c9.5,81.5) 10.7,81.5 10.7,89.5 cw(c11.5,89.5) 11.5,90.3 11.5,81.5 cw(c9.5,81.5) 9.5,79.5 cw(c9.5,81.5) 7.5,81.5

## Silkscreen, mask and mechanical layers (free items; w line width, h text height)
Top Overlay:
  lines w0.2: 9,16 9,15 ; 10,15 9,15 ; 10.5,16.5 9,15
  text "OCP" at 17.144,96.022 h2
  text "SENS+" at -31.267,77.859 h2
  text "OUT+" at -11.817,77.859 h2
  text "OUT-" at 7.385,77.859 h2
  text "SENS-" at 25.735,77.859 h2
  text ">50V" at 39.386,73.522 h2
  text "OVP" at -20.812,46.559 h2
  text "OUT_LV" at 8.5,39.026 h2
  text "OUT_HV" at 22,38.026 h2
  text "BAT-" at 39.5,33.359 h2
  text "+HV" at 21.5,32.859 h2
  text "GND" at 36.5,27.359 h2
  text "GND" at 8.5,18.359 h2
  text "VCC_OUT" at 10.502,16.526 h2
  text "GND_PWR" at -16.528,6.526 h2
  text "C1" at -41.371,5.359 h2
  text "GND" at -29.287,5.359 h2
  text "C2" at 37.5,5.359 h2
  text "+3V3_A" at -31.817,2.534 h2
  text "+5V" at -15.621,-2.63 h2
  text "GND" at -16.287,-5.641 h2
  text "+15V" at -6.616,-16.632 h2
  text "VCC" at -6.201,-19.641 h2
  text "GND" at -6.287,-22.641 h2
  text "VIN" at -5.328,-25.641 h2
  text "C4" at -41.613,-33.641 h2
  text "HW ID" at -21.514,-37.141 h2
  text "7" at -15.314,-37.132 h2
  text "6" at -13.923,-37.132 h2
  text "5" at -12.524,-37.122 h2
  text "4" at -11.143,-37.141 h2
  text "3" at -9.719,-37.132 h2
  text "2" at -8.326,-37.143 h2
  text "1" at -6.736,-37.143 h2
  text "0" at -5.517,-37.132 h2
  text "+3V3" at 5.5,-44.632 h2
  text "GND" at -4.287,-44.641 h2
  text "VBAT" at 38.502,-50.641 h2
  text "Reset" at -29.5,-69.131 h2
  text "Programming" at -20.241,-69.453 h2
  text "User Interface" at 8.49,-70.141 h2
Bottom Overlay:
  text "OUT+" at -3.683,78.359 h2
  text "OUT-" at 8.115,78.359 h2
  text "SENS+" at -25.633,77.859 h2
  text "SENS-" at 31.165,77.859 h2
Board:
  lines w0.2: -21.5,98.5 -16.5,98.5 cw(c-16.5,97.5) -15.5,97.5 -15.5,91.5 ccw(c-14.5,91.5) -14.5,90.5 -11.5,90.5 cw(c-11.5,89.5) -10.5,89.5 -10.5,81.5 ccw(c-9.5,81.5) -8.5,81.5 -8.5,89.5 cw(c-7.5,89.5) -7.5,90.5 -4.5,90.5 ccw(c-4.5,91.5) -3.5,91.5 -3.5,97.5 cw(c-2.5,97.5) -2.5,98.5 2.5,98.5 cw(c2.5,97.5) 3.5,97.5 3.5,91.5 ccw(c4.5,91.5) 4.5,90.5 7.5,90.5 cw(c7.5,89.5) 8.5,89.5 8.5,81.5 ccw(c9.5,81.5) 10.5,81.5 10.5,89.5 cw(c11.5,89.5) 11.5,90.5 14.5,90.5 ccw(c14.5,91.5) 15.5,91.5 15.5,97.5 cw(c16.5,97.5) 16.5,98.5 21.4,98.5 cw(c21.4,97.5) 22.4,97.5 22.4,91.5 ccw(c23.4,91.5) 23.4,90.5 26.4,90.5 cw(c26.4,89.5) 27.4,89.5 27.4,81.5 ccw(c28.4,81.5) 29.4,81.5 29.4,89.5 cw(c30.4,89.5) 30.4,90.5 38,90.5 43,90.5 cw(c43,89.5) 44,89.5 44,-62.5 cw(c43,-62.5) 43,-63.5 38,-63.5 ccw(c38,-67.5) 34,-67.5 34,-70.5 cw(c33,-70.5) 33,-71.5 -33,-71.5 cw(c-33,-70.5) -34,-70.5 -34,-67.5 ccw(c-38,-67.5) -38,-63.5 -43,-63.5 cw(c-43,-62.5) -44,-62.5 -44,89.5 cw(c-43,89.5) -43,90.5 -38,90.5 -30.4,90.5 cw(c-30.4,89.5) -29.4,89.5 -29.4,81.5 ccw(c-28.4,81.5) -27.4,81.5 -27.4,89.5 cw(c-26.4,89.5) -26.4,90.5 -23.4,90.5 ccw(c-23.4,91.5) -22.4,91.5 -22.4,97.5 cw(c-21.4,97.5) -21.4,98.5
Top Assembly:
  text "OCP" at 17.144,96.022 h2
  text ">50V" at 39.386,73.522 h2
  text "OVP" at -20.812,46.559 h2

## Text inside footprints (layer, text, board x,y; h text height)
J6: Top Overlay "1" at -2.522,-67.643 h2; Top Overlay "2" at -2.712,-65.103 h2; Top Overlay "23" at 29.47,-67.632 h2; Top Overlay "24" at 29.473,-65.103 h2; Bottom Overlay "1" at -0.881,-66.764 h2 r90; Bottom Overlay "2" at -0.881,-64.034 h2 r90; Bottom Overlay "23" at 30.477,-66.07 h2 r90; Bottom Overlay "24" at 30.488,-63.533 h2 r90
M3: Top Assembly "000000" at -42.356,22.051 h3